# Allegro board SG2042_EVB_V2_0.brd (continued)
## Routing (per net, layer and track width the routed paths; a pad name or vN(x,y) marks a point on that pad's centre or on a via; arc(x,y) is an arc through that point) (continued)
DDR3_DM1_P: length 49.8
  TOP w0.109: 95.28,250.86 95.29,250.85 95.29,250.83 95.29,250.82 95.86,250.26 95.86,247.97 95.44,247.55 U1.B7
  TOP w0.127: 95.28,250.86 90.01,256.13 74.71,256.13 71.83,259.01 71.83,264.64 67.27,269.2 66.21,269.2 arc(65.89,269.26) 65.62,269.44 65.41,269.65 arc(64.97,269.95) 64.45,270.05 64.42,270.05 arc(63.9,269.95) 63.46,269.65 63.35,269.55 arc(62.97,269.29) 62.52,269.2 61.94,269.2 arc(61.86,269.22) 61.8,269.29 61.79,269.31 arc(61.77,269.51) 61.89,269.66 J4.18
DDR3_DM2_N: length 55
  TOP w0.173: U1.G13 v1(101.75,243.05)
  ART10 w0.112: 100.13,250.84 100.15,250.82 100.15,250.8 100.83,250.12 100.83,248.64 101.36,248.1 101.36,242.75 101.48,242.63 101.64,242.63 101.75,242.75 v1(101.75,243.05)
  ART10 w0.117: 100.13,250.84 95.68,255.29 74.33,255.29 68.92,260.7 66.27,260.7 arc(65.8,260.6) 65.4,260.33 65.21,260.14 arc(64.88,259.92) 64.49,259.85 64.38,259.85 arc(63.9,259.75) 63.49,259.48 63.34,259.32 arc(62.98,259.08) 62.55,259 62.52,259 arc(62.1,259.08) 61.74,259.32 61.46,259.6 arc(61.4,259.73) 61.42,259.87 61.48,259.99 arc(61.6,260.08) 61.75,260.07 J4.30
DDR3_DM2_P: length 54.9
  TOP w0.173: U1.H13 v1(101.75,242.05)
  ART10 w0.112: 99.96,250.66 99.98,250.64 99.99,250.64 100.61,250.03 100.61,248.54 101.14,248.01 101.14,242.66 101.39,242.41 101.64,242.41 101.75,242.3 v1(101.75,242.05)
  ART10 w0.117: 99.96,250.66 95.58,255.04 74.23,255.04 68.82,260.45 66.27,260.45 arc(65.89,260.38) 65.57,260.16 65.38,259.97 arc(64.97,259.7) 64.49,259.6 64.38,259.6 arc(63.99,259.53) 63.67,259.31 63.51,259.15 arc(63.07,258.86) 62.55,258.75 62.52,258.75 arc(62,258.86) 61.56,259.15 61.27,259.45 arc(61.16,259.58) 61.08,259.74 J4.29
DDR3_DM3_N: length 41.9
  TOP w0.173: U1.H8 v1(95.75,242.05)
  ART10 w0.112: 88.09,247.93 88.12,247.93 88.13,247.94 89.49,247.94 89.99,247.44 94.08,247.44 95.14,246.38 95.14,242.7 95.39,242.45 95.64,242.45 95.75,242.33 v1(95.75,242.05)
  ART10 w0.117: 88.09,247.93 69.82,247.93 67.49,250.25 66.22,250.25 arc(65.8,250.34) 65.44,250.58 65.24,250.78 arc(64.88,251.02) 64.45,251.1 64.42,251.1 arc(64,251.02) 63.64,250.78 63.53,250.67 arc(63.07,250.36) 62.52,250.25 61.89,250.25 arc(61.74,250.26) 61.59,250.27 J4.41
DDR3_DM3_P: length 41.9
  TOP w0.173: U1.G8 v1(95.75,243.05)
  ART10 w0.112: v1(95.75,243.05) 95.75,242.78 95.64,242.67 95.48,242.67 95.36,242.79 95.36,246.47 94.17,247.66 90.08,247.66 89.58,248.16 88.13,248.16 88.12,248.17 88.09,248.17
  ART10 w0.117: J4.40 61.86,250.95 arc(61.76,250.82) 61.78,250.66 61.79,250.63 arc(61.89,250.53) 62.02,250.5 62.52,250.5 arc(62.97,250.59) 63.36,250.85 63.46,250.95 arc(63.9,251.24) 64.42,251.35 64.45,251.35 arc(64.97,251.24) 65.41,250.95 65.61,250.75 arc(65.89,250.56) 66.22,250.5 67.59,250.5 69.92,248.17 88.09,248.17
DDR3_DM4_N: length 60.5
  TOP w0.109: U1.U3 91.72,232.55 91.83,232.44 91.83,232.27 91.72,232.16 88.9,232.16 88.48,232.57 87.55,232.57 87.53,232.59 87.5,232.59
  TOP w0.127: J4.100 61.77,195.45 arc(61.58,195.47) 61.43,195.35 61.42,195.33 arc(61.39,195.15) 61.47,194.99 61.74,194.72 arc(62.1,194.49) 62.52,194.4 62.55,194.4 arc(62.97,194.49) 63.33,194.72 63.49,194.88 arc(63.9,195.16) 64.38,195.25 64.5,195.25 arc(64.89,195.33) 65.22,195.55 65.43,195.76 arc(65.81,196.01) 66.26,196.1 67.94,196.1 77.13,205.29 77.13,225.53 84.2,232.59 87.5,232.59
DDR3_DM4_P: length 60.5
  TOP w0.109: 87.5,232.34 87.53,232.34 87.55,232.36 88.4,232.36 88.81,231.94 91.81,231.94 92.25,232.39 U1.U4
  TOP w0.127: J4.99 61.07,195.16 arc(61.15,194.98) 61.27,194.83 61.28,194.83 arc(61.29,194.82) 61.29,194.81 61.56,194.54 arc(62,194.25) 62.52,194.15 62.55,194.15 arc(63.07,194.25) 63.51,194.55 63.67,194.7 arc(64,194.92) 64.38,195 64.5,195 arc(64.99,195.09) 65.4,195.37 65.61,195.58 arc(65.91,195.78) 66.26,195.85 68.05,195.85 77.39,205.19 77.39,225.42 84.3,232.34 87.5,232.34
DDR3_DM5_N: length 63.5
  TOP w0.109: U1.AB4 92.25,227.46 91.73,226.94 88.08,226.94 87.54,226.41 87.04,226.41 86.51,225.88 86.51,225.85 86.49,225.83
  TOP w0.127: J4.111 61.57,185.67 arc(61.74,185.65) 61.91,185.65 62.57,185.65 arc(63.07,185.75) 63.5,186.03 63.64,186.17 arc(64,186.41) 64.42,186.5 64.45,186.5 arc(64.87,186.41) 65.23,186.17 65.24,186.17 65.39,186.01 arc(65.8,185.74) 66.27,185.65 70.39,185.65 83.54,198.8 83.54,222.88 86.49,225.83
DDR3_DM5_P: length 63.4
  TOP w0.109: U1.AB3 91.65,227.55 91.76,227.44 91.76,227.26 91.65,227.16 87.99,227.16 87.45,226.62 86.95,226.62 86.36,226.03 86.33,226.03 86.31,226.01
  TOP w0.127: 86.31,226.01 83.28,222.98 83.28,198.91 70.28,185.9 66.27,185.9 arc(65.9,185.98) 65.57,186.19 65.41,186.35 arc(64.97,186.65) 64.45,186.75 64.42,186.75 arc(63.9,186.65) 63.46,186.35 63.32,186.21 arc(62.98,185.98) 62.57,185.9 62,185.9 arc(61.87,185.94) 61.78,186.04 arc(61.76,186.21) 61.87,186.35 J4.110
DDR3_DM6_N: length 82.6
  TOP w0.173: U1.V6 v1(93.75,232.05)
  ART10 w0.112: 87.72,232.09 87.75,232.09 87.76,232.08 90.02,232.08 90.6,232.66 93.2,232.66 93.75,232.12 v1(93.75,232.05)
  ART10 w0.117: J4.122 61.8,176.74 arc(61.59,176.76) 61.43,176.62 61.41,176.58 arc(61.39,176.44) 61.45,176.31 61.74,176.02 arc(62.1,175.78) 62.52,175.7 62.55,175.7 arc(62.98,175.78) 63.34,176.02 63.49,176.18 arc(63.9,176.45) 64.38,176.55 64.49,176.55 arc(64.88,176.62) 65.21,176.84 65.45,177.08 arc(65.79,177.32) 66.2,177.4 68.13,177.4 69.39,178.66 69.39,184.08 70.4,185.09 70.4,185.26 69.8,185.86 69.8,186.23 70.37,186.8 70.74,186.8 71.35,186.2 71.51,186.2 78.61,193.29 78.61,225.75 84.95,232.09 87.72,232.09
DDR3_DM6_P: length 82.5
  TOP w0.173: U1.V5 v1(92.75,232.05)
  ART10 w0.112: 87.72,231.85 87.75,231.85 87.76,231.86 90.11,231.86 90.69,232.44 93.11,232.44 93.22,232.33 93.22,232.16 93.11,232.05 v1(92.75,232.05)
  ART10 w0.117: 87.72,231.85 85.05,231.85 78.85,225.65 78.85,193.19 71.61,185.95 71.24,185.95 70.64,186.56 70.47,186.56 70.04,186.13 70.04,185.96 70.65,185.36 70.65,184.99 69.64,183.98 69.64,178.56 68.23,177.15 66.2,177.15 arc(65.89,177.09) 65.62,176.91 65.38,176.67 arc(64.97,176.4) 64.49,176.3 64.38,176.3 arc(63.99,176.23) 63.67,176.01 63.51,175.85 arc(63.07,175.56) 62.55,175.45 62.52,175.45 arc(62,175.56) 61.56,175.85 61.27,176.15 arc(61.16,176.28) 61.08,176.44 J4.121
DDR3_DM7_N: length 89.1
  TOP w0.173: U1.AC5 v1(92.75,226.05)
  ART10 w0.112: v1(92.75,226.05) 93.12,226.05 93.23,226.16 93.23,226.32 93.11,226.44 89.27,226.44 89.26,226.43 89.23,226.43
  ART10 w0.117: 89.23,226.43 87.5,226.43 84.41,223.34 84.41,179.98 74.74,170.31 74.37,170.31 73.65,171.03 73.48,171.03 73.05,170.6 73.05,170.44 73.78,169.71 73.78,169.35 73.2,168.77 72.84,168.77 72.11,169.5 71.95,169.5 71.52,169.07 71.52,168.9 72.24,168.18 72.24,167.81 71.38,166.95 66.24,166.95 arc(65.8,167.04) 65.42,167.29 65.24,167.48 arc(64.88,167.72) 64.45,167.8 64.42,167.8 arc(64,167.72) 63.64,167.48 63.53,167.37 arc(63.07,167.06) 62.52,166.95 61.89,166.95 arc(61.74,166.96) 61.59,166.97 J4.133
DDR3_DM7_P: length 89.2
  TOP w0.173: U1.AC6 v1(93.75,226.05)
  ART10 w0.112: v1(93.75,226.05) 93.75,226.12 93.2,226.66 89.27,226.66 89.26,226.67 89.23,226.67
  ART10 w0.117: 89.23,226.67 87.39,226.67 84.17,223.44 84.17,180.08 74.64,170.55 74.47,170.55 73.75,171.27 73.38,171.27 72.81,170.7 72.81,170.33 73.53,169.61 73.53,169.45 73.1,169.02 72.94,169.02 72.21,169.74 71.85,169.74 71.27,169.17 71.27,168.8 72,168.08 72,167.91 71.28,167.2 66.24,167.2 arc(65.89,167.27) 65.6,167.46 65.41,167.65 arc(64.97,167.94) 64.45,168.05 64.42,168.05 arc(63.9,167.94) 63.46,167.65 63.36,167.55 arc(62.97,167.29) 62.52,167.2 62.02,167.2 arc(61.9,167.23) 61.81,167.32 61.76,167.42 arc(61.75,167.54) 61.83,167.63 J4.132
DDR3_DQ0: length 58.3
  TOP w0.173: U1.D10 v1(98.75,246.05)
  ART03 w0.15: v1(98.75,246.05) 99.4,246.7 99.4,252.46 70.88,280.98 66.34,280.98 arc(65.85,281.07) 65.44,281.35 65.32,281.46 arc(64.92,281.73) 64.45,281.82 64.42,281.82 arc(63.95,281.73) 63.55,281.46 63.48,281.39 arc(63.02,281.08) 62.48,280.98 J4.5
DDR3_DQ1: length 52.7
  TOP w0.173: U1.B10 v1(98.75,248.05)
  ART03 w0.15: J4.150 67.35,280.13 67.5,279.98 67.5,279.02 67.65,278.87 68.08,278.87 68.23,279.02 68.23,279.67 68.38,279.82 68.81,279.82 68.96,279.67 68.96,279.02 69.11,278.87 69.53,278.87 69.68,279.02 69.68,279.67 69.83,279.82 70.26,279.82 70.41,279.67 70.41,279.02 70.56,278.87 72.05,278.87 98.75,252.17 v1(98.75,248.05)
DDR3_DQ2: length 59.1
  TOP w0.173: U1.A11 98.89,248.91 98.89,252.15 83.39,267.64 81.53,267.64 74.21,274.96 73.46,274.96 73.29,275.13 73.29,275.77 73.12,275.94 72.69,275.94 72.51,275.77 72.51,275.13 72.34,274.96 71.91,274.96 71.74,275.13 71.74,276.41 71.56,276.58 71.13,276.58 70.96,276.41 70.96,275.13 70.79,274.96 70.35,274.96 70.18,275.13 70.18,276.41 70.01,276.58 69.58,276.58 69.4,276.41 69.4,275.13 69.23,274.96 68.8,274.96 68.63,275.13 68.63,276.41 68.45,276.58 68.02,276.58 67.85,276.41 67.85,276.05 67.68,275.87 66.25,275.87 arc(65.84,275.79) 65.5,275.56 65.37,275.44 arc(64.92,275.13) 64.38,275.03 J4.12
DDR3_DQ3: length 57.8
  TOP w0.173: U1.A10 98.25,251.69 88.94,261 88.69,261 88.01,260.31 87.76,260.31 87.46,260.62 87.46,260.86 88.14,261.55 88.14,261.79 87.84,262.1 87.59,262.1 86.91,261.41 86.67,261.41 86.36,261.72 86.36,261.96 87.05,262.65 87.05,262.89 86.74,263.2 86.5,263.2 85.81,262.51 85.57,262.51 85.26,262.82 85.26,263.06 85.95,263.74 85.95,263.99 85.64,264.29 85.4,264.29 84.71,263.61 84.47,263.61 84.16,263.91 84.16,264.16 84.85,264.84 84.85,265.09 84.54,265.39 84.3,265.39 83.61,264.71 83.37,264.71 83.06,265.01 83.06,265.26 83.75,265.94 83.75,266.19 83.44,266.49 83.2,266.49 82.51,265.81 82.27,265.81 73.9,274.17 64.59,274.17 J4.157
DDR3_DQ4: length 66.5
  TOP w0.173: U1.B13 101.75,248.05 101.75,253.86 84,271.61 83.75,271.61 83.07,270.92 82.82,270.92 82.52,271.23 82.52,271.47 83.1,272.05 83.1,272.3 82.8,272.6 82.55,272.6 81.97,272.02 81.72,272.02 81.42,272.33 81.42,272.57 82,273.15 82,273.4 81.7,273.7 81.45,273.7 80.87,273.12 80.63,273.12 80.32,273.42 80.32,273.67 80.9,274.25 80.9,274.5 80.6,274.8 80.35,274.8 79.77,274.22 79.53,274.22 72.77,280.98 66.25,280.98 arc(65.84,281.06) 65.5,281.29 65.32,281.47 arc(64.92,281.73) 64.45,281.82 64.42,281.82 arc(63.95,281.73) 63.55,281.47 63.42,281.33 arc(63.02,281.07) 62.55,280.98 62.52,280.98 arc(62.05,281.07) 61.65,281.33 60.94,282.04 arc(60.83,282.22) 60.79,282.42 J4.3
DDR3_DQ5: length 66.4
  TOP w0.173: U1.B14 102.75,248.05 102.75,253.95 80.48,276.23 80.23,276.23 79.55,275.54 79.3,275.54 79,275.85 79,276.09 79.68,276.78 79.68,277.02 79.38,277.33 79.13,277.33 78.45,276.64 78.2,276.64 77.9,276.95 77.9,277.19 78.58,277.88 78.58,278.12 78.28,278.43 78.03,278.43 77.35,277.74 77.1,277.74 76.8,278.05 76.8,278.29 77.48,278.98 77.48,279.22 77.18,279.53 76.93,279.53 76.25,278.84 76,278.84 75.7,279.14 75.7,279.39 76.39,280.07 76.39,280.32 76.08,280.62 75.84,280.62 75.15,279.94 74.91,279.94 74.6,280.24 74.6,280.49 75.29,281.17 75.29,281.42 74.98,281.72 74.74,281.72 74.05,281.04 73.81,281.04 73.02,281.83 J4.148
DDR3_DQ6: length 61.8
  TOP w0.173: U1.C14 v1(101.75,247.05)
  ART03 w0.15: J4.10 64.38,276.73 arc(64.92,276.83) 65.38,277.14 65.5,277.26 arc(65.84,277.49) 66.25,277.58 67.23,277.58 67.38,277.43 67.38,276.81 67.53,276.66 67.96,276.66 68.11,276.81 68.11,277.43 68.26,277.58 68.68,277.58 68.83,277.43 68.83,276.81 68.98,276.66 69.41,276.66 69.56,276.81 69.56,277.43 69.71,277.58 70.14,277.58 70.29,277.43 70.29,276.81 70.44,276.66 70.87,276.66 71.02,276.81 71.02,277.43 71.17,277.58 72,277.58 97.79,251.78 97.79,248.29 98.25,247.83 98.25,245.84 98.48,245.61 99.31,245.61 100.25,246.55 101.25,246.55 v1(101.75,247.05)
DDR3_DQ7: length 62.3
  TOP w0.173: U1.D13 v1(101.75,246.05)
  ART03 w0.15: v1(101.75,246.05) U1.D13 101.25,244.84 100.96,244.55 97.56,244.55 97.25,244.86 97.25,247.81 96.75,248.31 96.75,251.89 72.76,275.87 71.44,275.87 71.29,275.73 71.29,274.75 71.14,274.6 70.71,274.6 70.56,274.75 70.56,275.73 70.41,275.87 69.98,275.87 69.83,275.73 69.83,274.75 69.68,274.6 69.25,274.6 69.1,274.75 69.1,275.73 68.95,275.87 68.53,275.87 68.38,275.73 68.38,274.75 68.23,274.6 67.8,274.6 67.65,274.75 67.65,275.73 67.5,275.87 J4.155
DDR3_DQ8: length 48.3
  TOP w0.173: U1.D5 v1(93.75,246.05)
  ART03 w0.15: v1(93.75,246.05) 94.52,246.82 94.52,252.77 74.81,272.47 66.24,272.47 arc(65.84,272.4) 65.51,272.17 65.38,272.04 arc(64.92,271.73) 64.38,271.63 J4.16
DDR3_DQ9: length 45.9
  TOP w0.173: U1.B5 v1(93.75,248.05)
  ART03 w0.15: v1(93.75,248.05) 93.86,248.16 93.86,252.49 75.58,270.78 71.48,270.78 71.33,270.63 71.33,270.1 71.18,269.95 70.75,269.95 70.6,270.1 70.6,270.63 70.45,270.78 70.03,270.78 69.88,270.63 69.88,270.1 69.73,269.95 69.3,269.95 69.15,270.1 69.15,270.63 69,270.78 68.57,270.78 68.42,270.63 68.42,270.1 68.27,269.95 67.84,269.95 67.69,270.1 67.69,270.63 67.54,270.78 J4.161
DDR3_DQ10: length 52.3
  TOP w0.173: J4.23 62.63,265.68 arc(63.11,265.77) 63.53,266.05 63.68,266.2 arc(64.04,266.44) 64.46,266.52 64.5,266.52 arc(64.93,266.44) 65.29,266.2 65.63,265.86 arc(65.83,265.72) 66.07,265.68 66.75,265.68 69.47,262.96 69.47,258.03 73.73,253.77 84.14,253.77 84.31,253.6 84.31,252.46 84.48,252.29 84.91,252.29 85.09,252.46 85.09,253.6 85.26,253.77 85.69,253.77 85.86,253.6 85.86,252.46 86.04,252.29 86.47,252.29 86.64,252.46 86.64,253.6 86.81,253.77 87.24,253.77 87.42,253.6 87.42,252.46 87.59,252.29 88.02,252.29 88.19,252.46 88.19,253.6 88.37,253.77 88.8,253.77 88.97,253.6 88.97,252.46 89.14,252.29 90.51,252.29 U1.A6
DDR3_DQ11: length 50
  TOP w0.173: J4.168 68.69,262.32 68.69,257.71 73.41,252.99 74.97,252.99 75.14,252.82 75.14,251.68 75.31,251.51 75.75,251.51 75.92,251.68 75.92,252.82 76.09,252.99 76.52,252.99 76.7,252.82 76.7,251.68 76.87,251.51 77.3,251.51 77.47,251.68 77.47,252.82 77.65,252.99 78.08,252.99 78.25,252.82 78.25,251.68 78.42,251.51 78.86,251.51 79.03,251.68 79.03,252.82 79.2,252.99 79.63,252.99 79.81,252.82 79.81,251.68 79.98,251.51 80.41,251.51 80.58,251.68 80.58,252.82 80.76,252.99 81.19,252.99 81.36,252.82 81.36,251.68 81.53,251.51 81.96,251.51 82.14,251.68 82.14,252.82 82.31,252.99 82.74,252.99 82.91,252.82 82.91,251.68 83.09,251.51 90.19,251.51 93.15,248.55 U1.A5
DDR3_DQ12: length 59
  TOP w0.173: J4.14 64.38,273.33 arc(64.92,273.22) 65.37,272.92 65.62,272.67 arc(65.82,272.53) 66.06,272.49 67.05,272.49 67.22,272.66 67.22,272.97 67.4,273.14 67.83,273.14 68,272.97 68,271.74 68.17,271.57 68.6,271.57 68.78,271.74 68.78,272.97 68.95,273.14 69.38,273.14 69.55,272.97 69.55,271.74 69.73,271.57 70.16,271.57 70.33,271.74 70.33,272.97 70.5,273.14 70.94,273.14 71.11,272.97 71.11,271.74 71.28,271.57 71.71,271.57 71.89,271.74 71.89,272.97 72.06,273.14 72.49,273.14 72.66,272.97 72.66,271.74 72.84,271.57 73.27,271.57 73.44,271.74 73.44,272.29 73.61,272.47 74.05,272.47 74.22,272.29 74.22,271.74 74.39,271.57 74.96,271.57 88.75,257.78 90.05,257.78 90.69,257.78 97.39,251.08 97.39,249.55 97.75,249.19 97.75,248.05 U1.B9
DDR3_DQ13: length 57.3
  TOP w0.173: U1.B8 96.75,248.05 96.75,250.62 90.37,257 88.43,257 87.42,258.01 87.18,258.01 86.38,257.22 86.14,257.22 85.83,257.52 85.83,257.77 86.63,258.56 86.63,258.81 86.32,259.11 86.08,259.11 85.28,258.32 85.04,258.32 84.73,258.62 84.73,258.87 85.53,259.66 85.53,259.9 85.22,260.21 84.98,260.21 84.18,259.42 83.94,259.42 83.63,259.72 83.63,259.97 84.43,260.76 84.43,261 84.12,261.31 83.88,261.31 83.08,260.52 82.84,260.52 82.54,260.82 82.54,261.07 83.33,261.86 83.33,262.1 83.02,262.41 82.78,262.41 81.99,261.62 81.74,261.62 81.44,261.92 81.44,262.17 82.23,262.96 82.23,263.2 74.66,270.77 66.26,270.77 arc(65.85,270.86) 65.49,271.1 64.92,271.66 arc(64.67,272.04) J4.159
DDR3_DQ14: length 54.2
  TOP w0.173: U1.C9 v1(96.75,247.05)
  ART03 w0.15: v1(96.75,247.05) 96.28,246.58 95.28,246.58 94.25,245.55 93.54,245.55 93.25,245.84 93.25,248.43 92.91,248.77 92.91,252.1 77.63,267.37 71.5,267.37 71.35,267.52 71.35,268.05 71.2,268.2 70.77,268.2 70.62,268.05 70.62,267.52 70.47,267.37 70.05,267.37 69.9,267.52 69.9,268.05 69.75,268.2 69.32,268.2 69.17,268.05 69.17,267.52 69.02,267.37 68.59,267.37 68.44,267.52 68.44,268.05 68.29,268.2 67.86,268.2 67.71,268.05 67.71,267.52 67.56,267.37 66.19,267.37 arc(65.84,267.44) 65.54,267.64 65.32,267.86 arc(64.92,268.13) 64.45,268.23 64.42,268.23 arc(63.95,268.13) 63.55,267.86 63.48,267.79 arc(63.02,267.48) 62.48,267.38 J4.21
DDR3_DQ15: length 54.2
  TOP w0.173: U1.D8 v1(96.75,246.05)
  ART03 w0.15: v1(96.75,246.05) U1.D8 96.25,244.76 96.04,244.55 92.53,244.55 92.25,244.83 92.25,251.82 91.65,252.42 91.44,252.42 90.92,251.9 90.71,251.9 90.41,252.2 90.41,252.41 90.93,252.93 90.93,253.15 90.62,253.45 90.41,253.45 89.89,252.93 89.68,252.93 89.38,253.23 89.38,253.44 89.9,253.96 89.9,254.18 89.6,254.48 89.38,254.48 88.86,253.96 88.65,253.96 88.35,254.26 88.35,254.47 88.87,254.99 88.87,255.2 88.57,255.51 88.35,255.51 87.83,254.99 87.62,254.99 87.32,255.29 87.32,255.5 87.84,256.02 87.84,256.23 87.54,256.54 87.32,256.54 86.8,256.02 86.59,256.02 86.29,256.32 86.29,256.53 86.81,257.05 86.81,257.26 77.55,266.52 J4.166
DDR3_DQ16: length 53.3
  TOP w0.173: U1.F11 v1(99.75,244.05)
  ART12 w0.135: v1(99.75,244.05) 100.25,244.55 100.25,252.32 96.15,256.42 73.4,256.42 67.55,262.28 66.36,262.28 arc(65.85,262.38) 65.43,262.66 65.33,262.76 arc(64.92,263.03) 64.45,263.12 64.42,263.12 arc(63.94,263.03) 63.54,262.76 63.47,262.69 arc(63.01,262.38) 62.47,262.28 J4.27
DDR3_DQ17: length 49
  TOP w0.173: U1.E10 v1(98.75,245.05)
  ART12 w0.135: v1(98.75,245.05) 99.25,245.55 99.25,252.43 95.89,255.79 71.82,255.79 70.76,256.85 70.76,257.04 71.03,257.31 71.03,257.5 70.73,257.79 70.54,257.79 70.28,257.53 70.09,257.53 69.79,257.82 69.79,258.01 70.06,258.28 70.06,258.47 69.76,258.76 69.57,258.76 69.31,258.5 69.12,258.5 68.82,258.79 68.82,258.98 69.09,259.25 69.09,259.44 68.79,259.73 68.6,259.73 68.34,259.47 68.15,259.47 67.85,259.76 67.85,259.95 68.12,260.22 68.12,260.41 67.82,260.7 67.63,260.7 67.37,260.44 67.18,260.44 J4.172
DDR3_DQ18: length 52.4
  TOP w0.173: U1.H11 v1(99.75,242.05)
  ART10 w0.135: v1(99.75,242.05) 99.22,242.58 99.22,248.59 94.75,253.06 73.41,253.06 72.38,254.09 72.19,254.09 71.91,253.8 71.72,253.8 71.43,254.1 71.43,254.29 71.71,254.57 71.71,254.76 71.41,255.06 71.22,255.06 70.94,254.78 70.75,254.78 70.46,255.07 70.46,255.26 70.74,255.54 70.74,255.73 70.44,256.03 70.25,256.03 69.97,255.75 69.78,255.75 69.49,256.04 69.49,256.23 69.77,256.51 69.77,256.7 69.29,257.18 68.3,257.18 68.16,257.31 68.16,257.81 68.03,257.94 67.61,257.94 67.48,257.81 67.48,257.31 67.34,257.18 66.33,257.18 arc(65.85,257.08) 65.44,256.81 65.38,256.74 arc(64.92,256.43) 64.37,256.33 J4.34
DDR3_DQ19: length 51.4
  TOP w0.173: U1.G10 v1(98.75,243.05)
  ART10 w0.135: J4.179 67.43,255.47 67.57,255.61 67.57,256.41 67.7,256.55 68.12,256.55 68.25,256.41 68.25,255.61 68.39,255.47 69.16,255.47 69.7,254.94 69.7,254.75 69,254.05 69,253.86 69.29,253.57 69.48,253.57 70.18,254.26 70.37,254.26 70.67,253.97 70.67,253.78 69.97,253.08 69.97,252.89 70.26,252.59 70.46,252.59 71.15,253.29 71.34,253.29 72.21,252.43 94.49,252.43 95.23,251.69 95.23,251.5 94.94,251.2 94.94,251.01 95.23,250.72 95.42,250.72 95.72,251.01 95.91,251.01 96.2,250.72 96.2,250.53 95.91,250.23 95.91,250.04 96.2,249.75 96.39,249.75 96.69,250.04 96.88,250.04 98.23,248.69 98.23,243.57 v1(98.75,243.05)
DDR3_DQ20: length 58.5
  TOP w0.173: U1.E13 v1(101.75,245.05)
  ART10 w0.135: v1(101.75,245.05) 102.25,245.55 102.25,248.07 101.74,248.58 101.74,250.37 96.02,256.1 87.63,256.1 87.5,256.23 87.5,257.07 87.36,257.21 86.95,257.21 86.81,257.07 86.81,256.23 86.68,256.1 86.26,256.1 86.13,256.23 86.13,257.07 85.99,257.21 85.58,257.21 85.44,257.07 85.44,256.23 85.31,256.1 84.89,256.1 84.76,256.23 84.76,257.07 84.62,257.21 84.2,257.21 84.07,257.07 84.07,256.23 83.94,256.1 74.67,256.1 68.49,262.28 66.4,262.28 arc(65.86,262.38) 65.4,262.69 65.32,262.76 arc(64.92,263.03) 64.45,263.12 64.42,263.12 arc(63.95,263.22) 63.55,263.49 63.48,263.56 arc(63.02,263.87) 62.47,263.98 J4.25
DDR3_DQ21: length 59.1
  TOP w0.173: U1.E14 v1(102.75,245.05)
  ART10 w0.135: J4.170 68.53,263.13 74.93,256.73 82.84,256.73 83.94,257.84 88.2,257.84 88.33,257.7 88.33,256.86 88.47,256.73 88.88,256.73 89.02,256.86 89.02,257.7 89.15,257.84 89.57,257.84 89.7,257.7 89.7,256.86 89.84,256.73 90.25,256.73 90.39,256.86 90.39,257.7 90.52,257.84 90.94,257.84 91.07,257.7 91.07,256.86 91.21,256.73 91.63,256.73 91.76,256.86 91.76,257.7 91.89,257.84 92.31,257.84 92.45,257.7 92.45,256.86 92.58,256.73 93,256.73 93.13,256.86 93.13,257.7 93.27,257.84 93.68,257.84 93.82,257.7 93.82,256.86 93.95,256.73 94.37,256.73 94.5,256.86 94.5,257.7 94.64,257.84 95.05,257.84 95.19,257.7 95.19,256.86 95.32,256.73 96.28,256.73 102.75,250.25 102.75,248.51 103.25,248.01 103.25,245.55 v1(102.75,245.05)
DDR3_DQ22: length 58.9
  TOP w0.173: U1.F14 v1(102.75,244.05)
  ART12 w0.135: v1(102.75,244.05) U1.F14 98.54,243.55 98.25,243.84 98.25,250.02 94.85,253.42 93.71,253.42 93.57,253.55 93.57,254.14 93.44,254.28 93.02,254.28 92.89,254.14 92.89,253.55 92.75,253.42 92.33,253.42 92.2,253.55 92.2,254.14 92.07,254.28 91.65,254.28 91.51,254.14 91.51,253.55 91.38,253.42 90.96,253.42 90.83,253.55 90.83,254.14 90.69,254.28 90.28,254.28 90.14,254.14 90.14,253.55 90.01,253.42 89.59,253.42 89.46,253.55 89.46,254.14 89.32,254.28 88.91,254.28 88.77,254.14 88.77,253.55 88.64,253.42 88.22,253.42 88.08,253.55 88.08,254.14 87.95,254.28 87.53,254.28 87.4,254.14 87.4,253.55 87.26,253.42 86.85,253.42 86.71,253.55 86.71,254.14 86.58,254.28 71.65,254.28 67.06,258.88 66.14,258.88 arc(65.84,258.81) 65.58,258.64 65.38,258.44 arc(64.92,258.13) 64.37,258.03 J4.32
DDR3_DQ23: length 61.1
  TOP w0.173: U1.H14 v1(102.75,242.05)
  ART12 w0.135: v1(102.75,242.05) 102.25,242.55 97.53,242.55 97.25,242.83 97.25,247.76 96.75,248.26 96.75,250.62 94.59,252.79 94,252.79 93.87,252.65 93.87,251.59 93.73,251.46 93.32,251.46 93.18,251.59 93.18,252.65 93.05,252.79 92.63,252.79 92.5,252.65 92.5,251.59 92.36,251.46 91.94,251.46 91.81,251.59 91.81,252.65 91.68,252.79 91.26,252.79 91.12,252.65 91.12,251.59 90.99,251.46 90.57,251.46 90.44,251.59 90.44,252.65 90.3,252.79 89.89,252.79 89.75,252.65 89.75,251.59 89.62,251.46 89.2,251.46 89.07,251.59 89.07,252.65 88.93,252.79 88.52,252.79 88.38,252.65 88.38,251.59 88.25,251.46 87.83,251.46 87.7,251.59 87.7,252.65 87.56,252.79 86.48,252.79 85.62,253.65 70.58,253.65 67.06,257.18 J4.177
DDR3_DQ24: length 40
  TOP w0.173: U1.F6 v1(93.75,244.05)
  ART12 w0.135: v1(93.75,244.05) 94.25,244.55 94.25,249.03 93.04,250.24 70.61,250.24 67.08,253.77 66.17,253.77 arc(65.84,253.71) 65.56,253.52 65.38,253.34 arc(64.92,253.03) 64.37,252.93 J4.38
DDR3_DQ25: length 37.9
  TOP w0.173: U1.E5 v1(92.75,245.05)
  ART12 w0.135: J4.183 67.08,252.08 69.54,249.61 70.37,249.61 70.51,249.48 70.51,248.78 70.64,248.64 71.06,248.64 71.19,248.78 71.19,249.48 71.33,249.61 71.74,249.61 71.88,249.48 71.88,248.78 72.01,248.64 72.43,248.64 72.56,248.78 72.56,249.48 72.7,249.61 92.43,249.61 93.25,248.79 93.25,245.55 v1(92.75,245.05)
DDR3_DQ26: length 41.5
  TOP w0.173: U1.H6 v1(93.75,242.05)
  ART10 w0.135: J4.45 62.47,246.98 arc(63.02,247.08) 63.48,247.39 63.55,247.46 arc(63.95,247.73) 64.42,247.83 64.45,247.83 arc(64.92,247.73) 65.32,247.46 65.46,247.32 arc(65.85,247.07) 66.31,246.97 67.65,246.97 69.08,245.55 83.28,245.55 83.42,245.42 83.42,244.91 83.55,244.78 83.97,244.78 84.1,244.91 84.1,245.42 84.24,245.55 84.65,245.55 84.79,245.42 84.79,244.91 84.92,244.78 85.34,244.78 85.47,244.91 85.47,245.42 85.61,245.55 86.02,245.55 86.16,245.42 86.16,244.91 86.29,244.78 86.71,244.78 86.84,244.91 86.84,245.42 86.98,245.55 92.98,245.55 93.25,245.28 93.25,242.55 v1(93.75,242.05)
DDR3_DQ27: length 40
  TOP w0.173: U1.G5 v1(92.75,243.05)
  ART10 w0.135: v1(92.75,243.05) 92.25,243.55 92.25,244.27 91.97,244.55 88.7,244.55 88.3,244.15 83.29,244.15 82.52,244.92 76.12,244.92 75.99,244.79 75.99,243.82 75.85,243.69 75.43,243.69 75.3,243.82 75.3,244.79 75.17,244.92 74.75,244.92 74.61,244.79 74.61,243.82 74.48,243.69 74.06,243.69 73.93,243.82 73.93,244.79 73.79,244.92 73.38,244.92 73.24,244.79 73.24,243.82 73.11,243.69 72.69,243.69 72.56,243.82 72.56,244.79 72.42,244.92 72.01,244.92 71.87,244.79 71.87,243.82 71.74,243.69 71.32,243.69 71.19,243.82 71.19,244.79 71.05,244.92 70.63,244.92 70.5,244.79 70.5,243.82 70.37,243.69 69.95,243.69 69.81,243.82 69.81,244.79 69.68,244.92 68.82,244.92 67.61,246.12 J4.190
DDR3_DQ28: length 49.3
  TOP w0.173: U1.H9 v1(96.75,242.05)
  ART10 w0.135: v1(96.75,242.05) 96.25,242.55 96.25,247.44 93.78,249.91 85.55,249.91 85.42,249.78 85.42,249.12 85.28,248.98 84.87,248.98 84.73,249.12 84.73,249.65 84.6,249.78 84.18,249.78 84.05,249.65 84.05,249.12 83.91,248.98 83.5,248.98 83.36,249.12 83.36,249.65 83.23,249.78 82.81,249.78 82.68,249.65 82.68,249.12 82.54,248.98 82.12,248.98 81.99,249.12 81.99,249.65 81.85,249.78 81.44,249.78 81.3,249.65 81.3,249.12 81.17,248.98 80.75,248.98 80.62,249.12 80.62,249.65 80.48,249.78 80.07,249.78 79.93,249.65 79.93,249.12 79.8,248.98 70.25,248.98 67.16,252.07 66.18,252.07 arc(65.84,252.14) 65.55,252.34 65.26,252.63 arc(64.93,252.85) 64.54,252.93 64.51,252.93 arc(64.12,253) 63.79,253.23 J4.36
DDR3_DQ29: length 47.2